# Allegro board LED_FIN.brd (continued)
## Placement (name value [footprint] x y rotation side) (continued)
D4076  0603_LED  [0603_SINGLE]  267.25 350 0 top
D4077  0603_LED  [0603_SINGLE]  269.25 350 0 top
D4078  0603_LED  [0603_SINGLE]  271.25 350 0 top
D4079  0603_LED  [0603_SINGLE]  273.25 350 0 top
D4080  0603_LED  [0603_SINGLE]  275.25 350 0 top
D4081  0603_LED  [0603_SINGLE]  217.25 348 0 top
D4082  0603_LED  [0603_SINGLE]  219.25 348 0 top
D4083  0603_LED  [0603_SINGLE]  221.25 348 0 top
D4084  0603_LED  [0603_SINGLE]  223.25 348 0 top
D4085  0603_LED  [0603_SINGLE]  225.25 348 0 top
D4086  0603_LED  [0603_SINGLE]  227.25 348 0 top
D4087  0603_LED  [0603_SINGLE]  229.25 348 0 top
D4088  0603_LED  [0603_SINGLE]  231.25 348 0 top
D4089  0603_LED  [0603_SINGLE]  233.25 348 0 top
D4090  0603_LED  [0603_SINGLE]  235.25 348 0 top
D4091  0603_LED  [0603_SINGLE]  237.25 348 0 top
D4092  0603_LED  [0603_SINGLE]  239.25 348 0 top
D4093  0603_LED  [0603_SINGLE]  241.25 348 0 top
D4094  0603_LED  [0603_SINGLE]  243.25 348 0 top
D4095  0603_LED  [0603_SINGLE]  245.25 348 0 top
D4096  0603_LED  [0603_SINGLE]  247.25 348 0 top
D4097  0603_LED  [0603_SINGLE]  249.25 348 0 top
D4098  0603_LED  [0603_SINGLE]  251.25 348 0 top
D4099  0603_LED  [0603_SINGLE]  253.25 348 0 top
D4100  0603_LED  [0603_SINGLE]  255.25 348 0 top
D4101  0603_LED  [0603_SINGLE]  257.25 348 0 top
D4102  0603_LED  [0603_SINGLE]  259.25 348 0 top
D4103  0603_LED  [0603_SINGLE]  261.25 348 0 top
D4104  0603_LED  [0603_SINGLE]  263.25 348 0 top
D4105  0603_LED  [0603_SINGLE]  265.25 348 0 top
D4106  0603_LED  [0603_SINGLE]  267.25 348 0 top
D4107  0603_LED  [0603_SINGLE]  269.25 348 0 top
D4108  0603_LED  [0603_SINGLE]  271.25 348 0 top
D4109  0603_LED  [0603_SINGLE]  273.25 348 0 top
D4110  0603_LED  [0603_SINGLE]  275.25 348 0 top
D4111  0603_LED  [0603_SINGLE]  217.25 346 0 top
D4112  0603_LED  [0603_SINGLE]  219.25 346 0 top
D4113  0603_LED  [0603_SINGLE]  221.25 346 0 top
D4114  0603_LED  [0603_SINGLE]  223.25 346 0 top
D4115  0603_LED  [0603_SINGLE]  225.25 346 0 top
D4116  0603_LED  [0603_SINGLE]  227.25 346 0 top
D4117  0603_LED  [0603_SINGLE]  229.25 346 0 top
D4118  0603_LED  [0603_SINGLE]  231.25 346 0 top
D4119  0603_LED  [0603_SINGLE]  233.25 346 0 top
D4120  0603_LED  [0603_SINGLE]  235.25 346 0 top
D4121  0603_LED  [0603_SINGLE]  237.25 346 0 top
D4122  0603_LED  [0603_SINGLE]  239.25 346 0 top
D4123  0603_LED  [0603_SINGLE]  241.25 346 0 top
D4124  0603_LED  [0603_SINGLE]  243.25 346 0 top
D4125  0603_LED  [0603_SINGLE]  245.25 346 0 top
D4126  0603_LED  [0603_SINGLE]  247.25 346 0 top
D4127  0603_LED  [0603_SINGLE]  249.25 346 0 top
D4128  0603_LED  [0603_SINGLE]  251.25 346 0 top
D4129  0603_LED  [0603_SINGLE]  253.25 346 0 top
D4130  0603_LED  [0603_SINGLE]  255.25 346 0 top
D4131  0603_LED  [0603_SINGLE]  257.25 346 0 top
D4132  0603_LED  [0603_SINGLE]  259.25 346 0 top
D4133  0603_LED  [0603_SINGLE]  261.25 346 0 top
D4134  0603_LED  [0603_SINGLE]  263.25 346 0 top
D4135  0603_LED  [0603_SINGLE]  265.25 346 0 top
D4136  0603_LED  [0603_SINGLE]  267.25 346 0 top
D4137  0603_LED  [0603_SINGLE]  269.25 346 0 top
D4138  0603_LED  [0603_SINGLE]  271.25 346 0 top
D4139  0603_LED  [0603_SINGLE]  273.25 346 0 top
D4140  0603_LED  [0603_SINGLE]  275.25 346 0 top
D4141  0603_LED  [0603_SINGLE]  217.25 344 0 top
D4142  0603_LED  [0603_SINGLE]  219.25 344 0 top
D4143  0603_LED  [0603_SINGLE]  221.25 344 0 top
D4144  0603_LED  [0603_SINGLE]  223.25 344 0 top
D4145  0603_LED  [0603_SINGLE]  225.25 344 0 top
D4146  0603_LED  [0603_SINGLE]  227.25 344 0 top
D4147  0603_LED  [0603_SINGLE]  229.25 344 0 top
D4148  0603_LED  [0603_SINGLE]  231.25 344 0 top
D4149  0603_LED  [0603_SINGLE]  233.25 344 0 top
D4150  0603_LED  [0603_SINGLE]  235.25 344 0 top
D4151  0603_LED  [0603_SINGLE]  237.25 344 0 top
D4152  0603_LED  [0603_SINGLE]  239.25 344 0 top
D4153  0603_LED  [0603_SINGLE]  241.25 344 0 top
D4154  0603_LED  [0603_SINGLE]  243.25 344 0 top
D4155  0603_LED  [0603_SINGLE]  245.25 344 0 top
D4156  0603_LED  [0603_SINGLE]  247.25 344 0 top
D4157  0603_LED  [0603_SINGLE]  249.25 344 0 top
D4158  0603_LED  [0603_SINGLE]  251.25 344 0 top
D4159  0603_LED  [0603_SINGLE]  253.25 344 0 top
D4160  0603_LED  [0603_SINGLE]  255.25 344 0 top
D4161  0603_LED  [0603_SINGLE]  257.25 344 0 top
D4162  0603_LED  [0603_SINGLE]  259.25 344 0 top
D4163  0603_LED  [0603_SINGLE]  261.25 344 0 top
D4164  0603_LED  [0603_SINGLE]  263.25 344 0 top
D4165  0603_LED  [0603_SINGLE]  265.25 344 0 top
D4166  0603_LED  [0603_SINGLE]  267.25 344 0 top
D4167  0603_LED  [0603_SINGLE]  269.25 344 0 top
D4168  0603_LED  [0603_SINGLE]  271.25 344 0 top
D4169  0603_LED  [0603_SINGLE]  273.25 344 0 top
D4170  0603_LED  [0603_SINGLE]  275.25 344 0 top
D4171  0603_LED  [0603_SINGLE]  217.25 342 0 top
D4172  0603_LED  [0603_SINGLE]  219.25 342 0 top
D4173  0603_LED  [0603_SINGLE]  221.25 342 0 top
D4174  0603_LED  [0603_SINGLE]  223.25 342 0 top
D4175  0603_LED  [0603_SINGLE]  225.25 342 0 top
D4176  0603_LED  [0603_SINGLE]  227.25 342 0 top
D4177  0603_LED  [0603_SINGLE]  229.25 342 0 top
D4178  0603_LED  [0603_SINGLE]  231.25 342 0 top
D4179  0603_LED  [0603_SINGLE]  233.25 342 0 top
D4180  0603_LED  [0603_SINGLE]  235.25 342 0 top
D4181  0603_LED  [0603_SINGLE]  237.25 342 0 top
D4182  0603_LED  [0603_SINGLE]  239.25 342 0 top
D4183  0603_LED  [0603_SINGLE]  241.25 342 0 top
D4184  0603_LED  [0603_SINGLE]  243.25 342 0 top
D4185  0603_LED  [0603_SINGLE]  245.25 342 0 top
D4186  0603_LED  [0603_SINGLE]  247.25 342 0 top
D4187  0603_LED  [0603_SINGLE]  249.25 342 0 top
D4188  0603_LED  [0603_SINGLE]  251.25 342 0 top
D4189  0603_LED  [0603_SINGLE]  253.25 342 0 top
D4190  0603_LED  [0603_SINGLE]  255.25 342 0 top
D4191  0603_LED  [0603_SINGLE]  257.25 342 0 top
D4192  0603_LED  [0603_SINGLE]  259.25 342 0 top
D4193  0603_LED  [0603_SINGLE]  261.25 342 0 top
D4194  0603_LED  [0603_SINGLE]  263.25 342 0 top
D4195  0603_LED  [0603_SINGLE]  265.25 342 0 top
D4196  0603_LED  [0603_SINGLE]  267.25 342 0 top
D4197  0603_LED  [0603_SINGLE]  269.25 342 0 top
D4198  0603_LED  [0603_SINGLE]  271.25 342 0 top
D4199  0603_LED  [0603_SINGLE]  273.25 342 0 top
D4200  0603_LED  [0603_SINGLE]  275.25 342 0 top
D4201  0603_LED  [0603_SINGLE]  217.25 340 0 top
D4202  0603_LED  [0603_SINGLE]  219.25 340 0 top
D4203  0603_LED  [0603_SINGLE]  221.25 340 0 top
D4204  0603_LED  [0603_SINGLE]  223.25 340 0 top
D4205  0603_LED  [0603_SINGLE]  225.25 340 0 top
D4206  0603_LED  [0603_SINGLE]  227.25 340 0 top
D4207  0603_LED  [0603_SINGLE]  229.25 340 0 top
D4208  0603_LED  [0603_SINGLE]  231.25 340 0 top
D4209  0603_LED  [0603_SINGLE]  233.25 340 0 top
D4210  0603_LED  [0603_SINGLE]  235.25 340 0 top
D4211  0603_LED  [0603_SINGLE]  237.25 340 0 top
D4212  0603_LED  [0603_SINGLE]  239.25 340 0 top
D4213  0603_LED  [0603_SINGLE]  241.25 340 0 top
D4214  0603_LED  [0603_SINGLE]  243.25 340 0 top
D4215  0603_LED  [0603_SINGLE]  245.25 340 0 top
D4216  0603_LED  [0603_SINGLE]  247.25 340 0 top
D4217  0603_LED  [0603_SINGLE]  249.25 340 0 top
D4218  0603_LED  [0603_SINGLE]  251.25 340 0 top
D4219  0603_LED  [0603_SINGLE]  253.25 340 0 top
D4220  0603_LED  [0603_SINGLE]  255.25 340 0 top
D4221  0603_LED  [0603_SINGLE]  257.25 340 0 top
D4222  0603_LED  [0603_SINGLE]  259.25 340 0 top
D4223  0603_LED  [0603_SINGLE]  261.25 340 0 top
D4224  0603_LED  [0603_SINGLE]  263.25 340 0 top
D4225  0603_LED  [0603_SINGLE]  265.25 340 0 top
D4226  0603_LED  [0603_SINGLE]  267.25 340 0 top
D4227  0603_LED  [0603_SINGLE]  269.25 340 0 top
D4228  0603_LED  [0603_SINGLE]  271.25 340 0 top
D4229  0603_LED  [0603_SINGLE]  273.25 340 0 top
D4230  0603_LED  [0603_SINGLE]  275.25 340 0 top
D4231  0603_LED  [0603_SINGLE]  217.25 338 0 top
D4232  0603_LED  [0603_SINGLE]  219.25 338 0 top
D4233  0603_LED  [0603_SINGLE]  221.25 338 0 top
D4234  0603_LED  [0603_SINGLE]  223.25 338 0 top
D4235  0603_LED  [0603_SINGLE]  225.25 338 0 top
D4236  0603_LED  [0603_SINGLE]  227.25 338 0 top
D4237  0603_LED  [0603_SINGLE]  229.25 338 0 top
D4238  0603_LED  [0603_SINGLE]  231.25 338 0 top
D4239  0603_LED  [0603_SINGLE]  233.25 338 0 top
D4240  0603_LED  [0603_SINGLE]  235.25 338 0 top
D4241  0603_LED  [0603_SINGLE]  237.25 338 0 top
D4242  0603_LED  [0603_SINGLE]  239.25 338 0 top
D4243  0603_LED  [0603_SINGLE]  241.25 338 0 top
D4244  0603_LED  [0603_SINGLE]  243.25 338 0 top
D4245  0603_LED  [0603_SINGLE]  245.25 338 0 top
D4246  0603_LED  [0603_SINGLE]  247.25 338 0 top
D4247  0603_LED  [0603_SINGLE]  249.25 338 0 top
D4248  0603_LED  [0603_SINGLE]  251.25 338 0 top
D4249  0603_LED  [0603_SINGLE]  253.25 338 0 top
D4250  0603_LED  [0603_SINGLE]  255.25 338 0 top
D4251  0603_LED  [0603_SINGLE]  257.25 338 0 top
D4252  0603_LED  [0603_SINGLE]  259.25 338 0 top
D4253  0603_LED  [0603_SINGLE]  261.25 338 0 top
D4254  0603_LED  [0603_SINGLE]  263.25 338 0 top
D4255  0603_LED  [0603_SINGLE]  265.25 338 0 top
D4256  0603_LED  [0603_SINGLE]  267.25 338 0 top
D4257  0603_LED  [0603_SINGLE]  269.25 338 0 top
D4258  0603_LED  [0603_SINGLE]  271.25 338 0 top
D4259  0603_LED  [0603_SINGLE]  273.25 338 0 top
D4260  0603_LED  [0603_SINGLE]  275.25 338 0 top
D4261  0603_LED  [0603_SINGLE]  217.25 336 0 top
D4262  0603_LED  [0603_SINGLE]  219.25 336 0 top
D4263  0603_LED  [0603_SINGLE]  221.25 336 0 top
D4264  0603_LED  [0603_SINGLE]  223.25 336 0 top
D4265  0603_LED  [0603_SINGLE]  225.25 336 0 top
D4266  0603_LED  [0603_SINGLE]  227.25 336 0 top
D4267  0603_LED  [0603_SINGLE]  229.25 336 0 top
D4268  0603_LED  [0603_SINGLE]  231.25 336 0 top
D4269  0603_LED  [0603_SINGLE]  233.25 336 0 top
D4270  0603_LED  [0603_SINGLE]  235.25 336 0 top
D4271  0603_LED  [0603_SINGLE]  237.25 336 0 top
D4272  0603_LED  [0603_SINGLE]  239.25 336 0 top
D4273  0603_LED  [0603_SINGLE]  241.25 336 0 top
D4274  0603_LED  [0603_SINGLE]  243.25 336 0 top
D4275  0603_LED  [0603_SINGLE]  245.25 336 0 top
D4276  0603_LED  [0603_SINGLE]  247.25 336 0 top
D4277  0603_LED  [0603_SINGLE]  249.25 336 0 top
D4278  0603_LED  [0603_SINGLE]  251.25 336 0 top
D4279  0603_LED  [0603_SINGLE]  253.25 336 0 top
D4280  0603_LED  [0603_SINGLE]  255.25 336 0 top
D4281  0603_LED  [0603_SINGLE]  257.25 336 0 top
D4282  0603_LED  [0603_SINGLE]  259.25 336 0 top
D4283  0603_LED  [0603_SINGLE]  261.25 336 0 top
D4284  0603_LED  [0603_SINGLE]  263.25 336 0 top
D4285  0603_LED  [0603_SINGLE]  265.25 336 0 top
D4286  0603_LED  [0603_SINGLE]  267.25 336 0 top
D4287  0603_LED  [0603_SINGLE]  269.25 336 0 top
D4288  0603_LED  [0603_SINGLE]  271.25 336 0 top
D4289  0603_LED  [0603_SINGLE]  273.25 336 0 top
D4290  0603_LED  [0603_SINGLE]  275.25 336 0 top
D4291  0603_LED  [0603_SINGLE]  217.25 334 0 top
D4292  0603_LED  [0603_SINGLE]  219.25 334 0 top
D4293  0603_LED  [0603_SINGLE]  221.25 334 0 top
D4294  0603_LED  [0603_SINGLE]  223.25 334 0 top
D4295  0603_LED  [0603_SINGLE]  225.25 334 0 top
D4296  0603_LED  [0603_SINGLE]  227.25 334 0 top
D4297  0603_LED  [0603_SINGLE]  229.25 334 0 top
D4298  0603_LED  [0603_SINGLE]  231.25 334 0 top
D4299  0603_LED  [0603_SINGLE]  233.25 334 0 top
D4300  0603_LED  [0603_SINGLE]  235.25 334 0 top
D4301  0603_LED  [0603_SINGLE]  237.25 334 0 top
D4302  0603_LED  [0603_SINGLE]  239.25 334 0 top
D4303  0603_LED  [0603_SINGLE]  241.25 334 0 top
D4304  0603_LED  [0603_SINGLE]  243.25 334 0 top
D4305  0603_LED  [0603_SINGLE]  245.25 334 0 top
D4306  0603_LED  [0603_SINGLE]  247.25 334 0 top
D4307  0603_LED  [0603_SINGLE]  249.25 334 0 top
D4308  0603_LED  [0603_SINGLE]  251.25 334 0 top
D4309  0603_LED  [0603_SINGLE]  253.25 334 0 top
D4310  0603_LED  [0603_SINGLE]  255.25 334 0 top
D4311  0603_LED  [0603_SINGLE]  257.25 334 0 top
D4312  0603_LED  [0603_SINGLE]  259.25 334 0 top
D4313  0603_LED  [0603_SINGLE]  261.25 334 0 top
D4314  0603_LED  [0603_SINGLE]  263.25 334 0 top
D4315  0603_LED  [0603_SINGLE]  265.25 334 0 top
D4316  0603_LED  [0603_SINGLE]  267.25 334 0 top
D4317  0603_LED  [0603_SINGLE]  269.25 334 0 top
D4318  0603_LED  [0603_SINGLE]  271.25 334 0 top
D4319  0603_LED  [0603_SINGLE]  273.25 334 0 top
D4320  0603_LED  [0603_SINGLE]  275.25 334 0 top
D4321  0603_LED  [0603_SINGLE]  217.25 332 0 top
D4322  0603_LED  [0603_SINGLE]  219.25 332 0 top
D4323  0603_LED  [0603_SINGLE]  221.25 332 0 top
D4324  0603_LED  [0603_SINGLE]  223.25 332 0 top
D4325  0603_LED  [0603_SINGLE]  225.25 332 0 top
D4326  0603_LED  [0603_SINGLE]  227.25 332 0 top
D4327  0603_LED  [0603_SINGLE]  229.25 332 0 top
D4328  0603_LED  [0603_SINGLE]  231.25 332 0 top
D4329  0603_LED  [0603_SINGLE]  233.25 332 0 top
D4330  0603_LED  [0603_SINGLE]  235.25 332 0 top
D4331  0603_LED  [0603_SINGLE]  237.25 332 0 top
D4332  0603_LED  [0603_SINGLE]  239.25 332 0 top
D4333  0603_LED  [0603_SINGLE]  241.25 332 0 top
D4334  0603_LED  [0603_SINGLE]  243.25 332 0 top
D4335  0603_LED  [0603_SINGLE]  245.25 332 0 top
D4336  0603_LED  [0603_SINGLE]  247.25 332 0 top
D4337  0603_LED  [0603_SINGLE]  249.25 332 0 top
D4338  0603_LED  [0603_SINGLE]  251.25 332 0 top
D4339  0603_LED  [0603_SINGLE]  253.25 332 0 top
D4340  0603_LED  [0603_SINGLE]  255.25 332 0 top
D4341  0603_LED  [0603_SINGLE]  257.25 332 0 top
D4342  0603_LED  [0603_SINGLE]  259.25 332 0 top
D4343  0603_LED  [0603_SINGLE]  261.25 332 0 top
D4344  0603_LED  [0603_SINGLE]  263.25 332 0 top
D4345  0603_LED  [0603_SINGLE]  265.25 332 0 top
D4346  0603_LED  [0603_SINGLE]  267.25 332 0 top
D4347  0603_LED  [0603_SINGLE]  269.25 332 0 top
D4348  0603_LED  [0603_SINGLE]  271.25 332 0 top
D4349  0603_LED  [0603_SINGLE]  273.25 332 0 top
D4350  0603_LED  [0603_SINGLE]  275.25 332 0 top
D4351  0603_LED  [0603_SINGLE]  217.25 330 0 top
D4352  0603_LED  [0603_SINGLE]  219.25 330 0 top
D4353  0603_LED  [0603_SINGLE]  221.25 330 0 top
D4354  0603_LED  [0603_SINGLE]  223.25 330 0 top
D4355  0603_LED  [0603_SINGLE]  225.25 330 0 top
D4356  0603_LED  [0603_SINGLE]  227.25 330 0 top
D4357  0603_LED  [0603_SINGLE]  229.25 330 0 top
D4358  0603_LED  [0603_SINGLE]  231.25 330 0 top
D4359  0603_LED  [0603_SINGLE]  233.25 330 0 top
D4360  0603_LED  [0603_SINGLE]  235.25 330 0 top
D4361  0603_LED  [0603_SINGLE]  237.25 330 0 top
D4362  0603_LED  [0603_SINGLE]  239.25 330 0 top
D4363  0603_LED  [0603_SINGLE]  241.25 330 0 top
D4364  0603_LED  [0603_SINGLE]  243.25 330 0 top
D4365  0603_LED  [0603_SINGLE]  245.25 330 0 top
D4366  0603_LED  [0603_SINGLE]  247.25 330 0 top
D4367  0603_LED  [0603_SINGLE]  249.25 330 0 top
D4368  0603_LED  [0603_SINGLE]  251.25 330 0 top
D4369  0603_LED  [0603_SINGLE]  253.25 330 0 top
D4370  0603_LED  [0603_SINGLE]  255.25 330 0 top
D4371  0603_LED  [0603_SINGLE]  257.25 330 0 top
D4372  0603_LED  [0603_SINGLE]  259.25 330 0 top
D4373  0603_LED  [0603_SINGLE]  261.25 330 0 top
D4374  0603_LED  [0603_SINGLE]  263.25 330 0 top
D4375  0603_LED  [0603_SINGLE]  265.25 330 0 top
D4376  0603_LED  [0603_SINGLE]  267.25 330 0 top
D4377  0603_LED  [0603_SINGLE]  269.25 330 0 top
D4378  0603_LED  [0603_SINGLE]  271.25 330 0 top
D4379  0603_LED  [0603_SINGLE]  273.25 330 0 top
D4380  0603_LED  [0603_SINGLE]  275.25 330 0 top
D4381  0603_LED  [0603_SINGLE]  217.25 328 0 top
D4382  0603_LED  [0603_SINGLE]  219.25 328 0 top
D4383  0603_LED  [0603_SINGLE]  221.25 328 0 top
D4384  0603_LED  [0603_SINGLE]  223.25 328 0 top
D4385  0603_LED  [0603_SINGLE]  225.25 328 0 top
D4386  0603_LED  [0603_SINGLE]  227.25 328 0 top
D4387  0603_LED  [0603_SINGLE]  229.25 328 0 top
D4388  0603_LED  [0603_SINGLE]  231.25 328 0 top
D4389  0603_LED  [0603_SINGLE]  233.25 328 0 top
D4390  0603_LED  [0603_SINGLE]  235.25 328 0 top
D4391  0603_LED  [0603_SINGLE]  237.25 328 0 top
D4392  0603_LED  [0603_SINGLE]  239.25 328 0 top
D4393  0603_LED  [0603_SINGLE]  241.25 328 0 top
D4394  0603_LED  [0603_SINGLE]  243.25 328 0 top
D4395  0603_LED  [0603_SINGLE]  245.25 328 0 top
D4396  0603_LED  [0603_SINGLE]  247.25 328 0 top
D4397  0603_LED  [0603_SINGLE]  249.25 328 0 top
D4398  0603_LED  [0603_SINGLE]  251.25 328 0 top
D4399  0603_LED  [0603_SINGLE]  253.25 328 0 top
D4400  0603_LED  [0603_SINGLE]  255.25 328 0 top
D4401  0603_LED  [0603_SINGLE]  257.25 328 0 top
D4402  0603_LED  [0603_SINGLE]  259.25 328 0 top
D4403  0603_LED  [0603_SINGLE]  261.25 328 0 top
D4404  0603_LED  [0603_SINGLE]  263.25 328 0 top
D4405  0603_LED  [0603_SINGLE]  265.25 328 0 top
D4406  0603_LED  [0603_SINGLE]  267.25 328 0 top
D4407  0603_LED  [0603_SINGLE]  269.25 328 0 top
D4408  0603_LED  [0603_SINGLE]  271.25 328 0 top
D4409  0603_LED  [0603_SINGLE]  273.25 328 0 top
D4410  0603_LED  [0603_SINGLE]  275.25 328 0 top
D4411  0603_LED  [0603_SINGLE]  217.25 326 0 top
D4412  0603_LED  [0603_SINGLE]  219.25 326 0 top
D4413  0603_LED  [0603_SINGLE]  221.25 326 0 top
D4414  0603_LED  [0603_SINGLE]  223.25 326 0 top
D4415  0603_LED  [0603_SINGLE]  225.25 326 0 top
D4416  0603_LED  [0603_SINGLE]  227.25 326 0 top
D4417  0603_LED  [0603_SINGLE]  229.25 326 0 top
D4418  0603_LED  [0603_SINGLE]  231.25 326 0 top
D4419  0603_LED  [0603_SINGLE]  233.25 326 0 top
D4420  0603_LED  [0603_SINGLE]  235.25 326 0 top
D4421  0603_LED  [0603_SINGLE]  237.25 326 0 top
D4422  0603_LED  [0603_SINGLE]  239.25 326 0 top
D4423  0603_LED  [0603_SINGLE]  241.25 326 0 top
D4424  0603_LED  [0603_SINGLE]  243.25 326 0 top
D4425  0603_LED  [0603_SINGLE]  245.25 326 0 top
D4426  0603_LED  [0603_SINGLE]  247.25 326 0 top
D4427  0603_LED  [0603_SINGLE]  249.25 326 0 top
D4428  0603_LED  [0603_SINGLE]  251.25 326 0 top
D4429  0603_LED  [0603_SINGLE]  253.25 326 0 top
D4430  0603_LED  [0603_SINGLE]  255.25 326 0 top
D4431  0603_LED  [0603_SINGLE]  257.25 326 0 top
D4432  0603_LED  [0603_SINGLE]  259.25 326 0 top
D4433  0603_LED  [0603_SINGLE]  261.25 326 0 top
D4434  0603_LED  [0603_SINGLE]  263.25 326 0 top
D4435  0603_LED  [0603_SINGLE]  265.25 326 0 top
D4436  0603_LED  [0603_SINGLE]  267.25 326 0 top
D4437  0603_LED  [0603_SINGLE]  269.25 326 0 top
D4438  0603_LED  [0603_SINGLE]  271.25 326 0 top
D4439  0603_LED  [0603_SINGLE]  273.25 326 0 top
D4440  0603_LED  [0603_SINGLE]  275.25 326 0 top
D4441  0603_LED  [0603_SINGLE]  217.25 324 0 top
D4442  0603_LED  [0603_SINGLE]  219.25 324 0 top
D4443  0603_LED  [0603_SINGLE]  221.25 324 0 top
D4444  0603_LED  [0603_SINGLE]  223.25 324 0 top
D4445  0603_LED  [0603_SINGLE]  225.25 324 0 top
D4446  0603_LED  [0603_SINGLE]  227.25 324 0 top
D4447  0603_LED  [0603_SINGLE]  229.25 324 0 top
D4448  0603_LED  [0603_SINGLE]  231.25 324 0 top
D4449  0603_LED  [0603_SINGLE]  233.25 324 0 top
D4450  0603_LED  [0603_SINGLE]  235.25 324 0 top
D4451  0603_LED  [0603_SINGLE]  237.25 324 0 top
D4452  0603_LED  [0603_SINGLE]  239.25 324 0 top
D4453  0603_LED  [0603_SINGLE]  241.25 324 0 top
D4454  0603_LED  [0603_SINGLE]  243.25 324 0 top
D4455  0603_LED  [0603_SINGLE]  245.25 324 0 top
D4456  0603_LED  [0603_SINGLE]  247.25 324 0 top
D4457  0603_LED  [0603_SINGLE]  249.25 324 0 top
D4458  0603_LED  [0603_SINGLE]  251.25 324 0 top
D4459  0603_LED  [0603_SINGLE]  253.25 324 0 top
D4460  0603_LED  [0603_SINGLE]  255.25 324 0 top
D4461  0603_LED  [0603_SINGLE]  257.25 324 0 top
D4462  0603_LED  [0603_SINGLE]  259.25 324 0 top
D4463  0603_LED  [0603_SINGLE]  261.25 324 0 top
D4464  0603_LED  [0603_SINGLE]  263.25 324 0 top
D4465  0603_LED  [0603_SINGLE]  265.25 324 0 top
D4466  0603_LED  [0603_SINGLE]  267.25 324 0 top
D4467  0603_LED  [0603_SINGLE]  269.25 324 0 top
D4468  0603_LED  [0603_SINGLE]  271.25 324 0 top
D4469  0603_LED  [0603_SINGLE]  273.25 324 0 top
D4470  0603_LED  [0603_SINGLE]  275.25 324 0 top
D4471  0603_LED  [0603_SINGLE]  217.25 322 0 top
D4472  0603_LED  [0603_SINGLE]  219.25 322 0 top
D4473  0603_LED  [0603_SINGLE]  221.25 322 0 top
D4474  0603_LED  [0603_SINGLE]  223.25 322 0 top
D4475  0603_LED  [0603_SINGLE]  225.25 322 0 top
D4476  0603_LED  [0603_SINGLE]  227.25 322 0 top
D4477  0603_LED  [0603_SINGLE]  229.25 322 0 top
D4478  0603_LED  [0603_SINGLE]  231.25 322 0 top
D4479  0603_LED  [0603_SINGLE]  233.25 322 0 top
D4480  0603_LED  [0603_SINGLE]  235.25 322 0 top
D4481  0603_LED  [0603_SINGLE]  237.25 322 0 top
D4482  0603_LED  [0603_SINGLE]  239.25 322 0 top
D4483  0603_LED  [0603_SINGLE]  241.25 322 0 top
D4484  0603_LED  [0603_SINGLE]  243.25 322 0 top
D4485  0603_LED  [0603_SINGLE]  245.25 322 0 top
D4486  0603_LED  [0603_SINGLE]  247.25 322 0 top
D4487  0603_LED  [0603_SINGLE]  249.25 322 0 top
D4488  0603_LED  [0603_SINGLE]  251.25 322 0 top
D4489  0603_LED  [0603_SINGLE]  253.25 322 0 top
D4490  0603_LED  [0603_SINGLE]  255.25 322 0 top
D4491  0603_LED  [0603_SINGLE]  257.25 322 0 top
D4492  0603_LED  [0603_SINGLE]  259.25 322 0 top
D4493  0603_LED  [0603_SINGLE]  261.25 322 0 top
D4494  0603_LED  [0603_SINGLE]  263.25 322 0 top
D4495  0603_LED  [0603_SINGLE]  265.25 322 0 top
D4496  0603_LED  [0603_SINGLE]  267.25 322 0 top
D4497  0603_LED  [0603_SINGLE]  269.25 322 0 top
D4498  0603_LED  [0603_SINGLE]  271.25 322 0 top
D4499  0603_LED  [0603_SINGLE]  273.25 322 0 top
D4500  0603_LED  [0603_SINGLE]  275.25 322 0 top
D4501  0603_LED  [0603_SINGLE]  217.25 320 0 top
D4502  0603_LED  [0603_SINGLE]  219.25 320 0 top
D4503  0603_LED  [0603_SINGLE]  221.25 320 0 top
D4504  0603_LED  [0603_SINGLE]  223.25 320 0 top
D4505  0603_LED  [0603_SINGLE]  225.25 320 0 top
D4506  0603_LED  [0603_SINGLE]  227.25 320 0 top
D4507  0603_LED  [0603_SINGLE]  229.25 320 0 top
D4508  0603_LED  [0603_SINGLE]  231.25 320 0 top
D4509  0603_LED  [0603_SINGLE]  233.25 320 0 top
D4510  0603_LED  [0603_SINGLE]  235.25 320 0 top
D4511  0603_LED  [0603_SINGLE]  237.25 320 0 top
D4512  0603_LED  [0603_SINGLE]  239.25 320 0 top
D4513  0603_LED  [0603_SINGLE]  241.25 320 0 top
D4514  0603_LED  [0603_SINGLE]  243.25 320 0 top
D4515  0603_LED  [0603_SINGLE]  245.25 320 0 top
D4516  0603_LED  [0603_SINGLE]  247.25 320 0 top
D4517  0603_LED  [0603_SINGLE]  249.25 320 0 top
D4518  0603_LED  [0603_SINGLE]  251.25 320 0 top
D4519  0603_LED  [0603_SINGLE]  253.25 320 0 top
D4520  0603_LED  [0603_SINGLE]  255.25 320 0 top
D4521  0603_LED  [0603_SINGLE]  257.25 320 0 top
D4522  0603_LED  [0603_SINGLE]  259.25 320 0 top
D4523  0603_LED  [0603_SINGLE]  261.25 320 0 top
D4524  0603_LED  [0603_SINGLE]  263.25 320 0 top
D4525  0603_LED  [0603_SINGLE]  265.25 320 0 top
D4526  0603_LED  [0603_SINGLE]  267.25 320 0 top
D4527  0603_LED  [0603_SINGLE]  269.25 320 0 top
D4528  0603_LED  [0603_SINGLE]  271.25 320 0 top
D4529  0603_LED  [0603_SINGLE]  273.25 320 0 top
D4530  0603_LED  [0603_SINGLE]  275.25 320 0 top
D4531  0603_LED  [0603_SINGLE]  217.25 318 0 top
D4532  0603_LED  [0603_SINGLE]  219.25 318 0 top
D4533  0603_LED  [0603_SINGLE]  221.25 318 0 top
D4534  0603_LED  [0603_SINGLE]  223.25 318 0 top
D4535  0603_LED  [0603_SINGLE]  225.25 318 0 top
D4536  0603_LED  [0603_SINGLE]  227.25 318 0 top
D4537  0603_LED  [0603_SINGLE]  229.25 318 0 top
D4538  0603_LED  [0603_SINGLE]  231.25 318 0 top
D4539  0603_LED  [0603_SINGLE]  233.25 318 0 top
D4540  0603_LED  [0603_SINGLE]  235.25 318 0 top
D4541  0603_LED  [0603_SINGLE]  237.25 318 0 top
D4542  0603_LED  [0603_SINGLE]  239.25 318 0 top
D4543  0603_LED  [0603_SINGLE]  241.25 318 0 top
D4544  0603_LED  [0603_SINGLE]  243.25 318 0 top
D4545  0603_LED  [0603_SINGLE]  245.25 318 0 top
D4546  0603_LED  [0603_SINGLE]  247.25 318 0 top
D4547  0603_LED  [0603_SINGLE]  249.25 318 0 top
D4548  0603_LED  [0603_SINGLE]  251.25 318 0 top
D4549  0603_LED  [0603_SINGLE]  253.25 318 0 top
D4550  0603_LED  [0603_SINGLE]  255.25 318 0 top
D4551  0603_LED  [0603_SINGLE]  257.25 318 0 top
D4552  0603_LED  [0603_SINGLE]  259.25 318 0 top
D4553  0603_LED  [0603_SINGLE]  261.25 318 0 top
D4554  0603_LED  [0603_SINGLE]  263.25 318 0 top
D4555  0603_LED  [0603_SINGLE]  265.25 318 0 top
D4556  0603_LED  [0603_SINGLE]  267.25 318 0 top
D4557  0603_LED  [0603_SINGLE]  269.25 318 0 top
D4558  0603_LED  [0603_SINGLE]  271.25 318 0 top
D4559  0603_LED  [0603_SINGLE]  273.25 318 0 top
D4560  0603_LED  [0603_SINGLE]  275.25 318 0 top
D4561  0603_LED  [0603_SINGLE]  37.25 316 0 top
D4562  0603_LED  [0603_SINGLE]  39.25 316 0 top
D4563  0603_LED  [0603_SINGLE]  41.25 316 0 top
D4564  0603_LED  [0603_SINGLE]  43.25 316 0 top
D4565  0603_LED  [0603_SINGLE]  45.25 316 0 top
D4566  0603_LED  [0603_SINGLE]  47.25 316 0 top
D4567  0603_LED  [0603_SINGLE]  49.25 316 0 top
D4568  0603_LED  [0603_SINGLE]  51.25 316 0 top
D4569  0603_LED  [0603_SINGLE]  53.25 316 0 top
D4570  0603_LED  [0603_SINGLE]  55.25 316 0 top
D4571  0603_LED  [0603_SINGLE]  57.25 316 0 top
D4572  0603_LED  [0603_SINGLE]  59.25 316 0 top
D4573  0603_LED  [0603_SINGLE]  61.25 316 0 top
D4574  0603_LED  [0603_SINGLE]  63.25 316 0 top
D4575  0603_LED  [0603_SINGLE]  65.25 316 0 top
D4576  0603_LED  [0603_SINGLE]  67.25 316 0 top
D4577  0603_LED  [0603_SINGLE]  69.25 316 0 top
D4578  0603_LED  [0603_SINGLE]  71.25 316 0 top
D4579  0603_LED  [0603_SINGLE]  73.25 316 0 top
D4580  0603_LED  [0603_SINGLE]  75.25 316 0 top
D4581  0603_LED  [0603_SINGLE]  77.25 316 0 top
D4582  0603_LED  [0603_SINGLE]  79.25 316 0 top
D4583  0603_LED  [0603_SINGLE]  81.25 316 0 top
D4584  0603_LED  [0603_SINGLE]  83.25 316 0 top